# KiCad board teacup-t41.kicad_pcb
title: Teacup Development Board; date: 2024-02-21; rev: [C]3.3; company: Hacker Homestead; note: CaptainRon; note: RevA: BogdanTheGeek
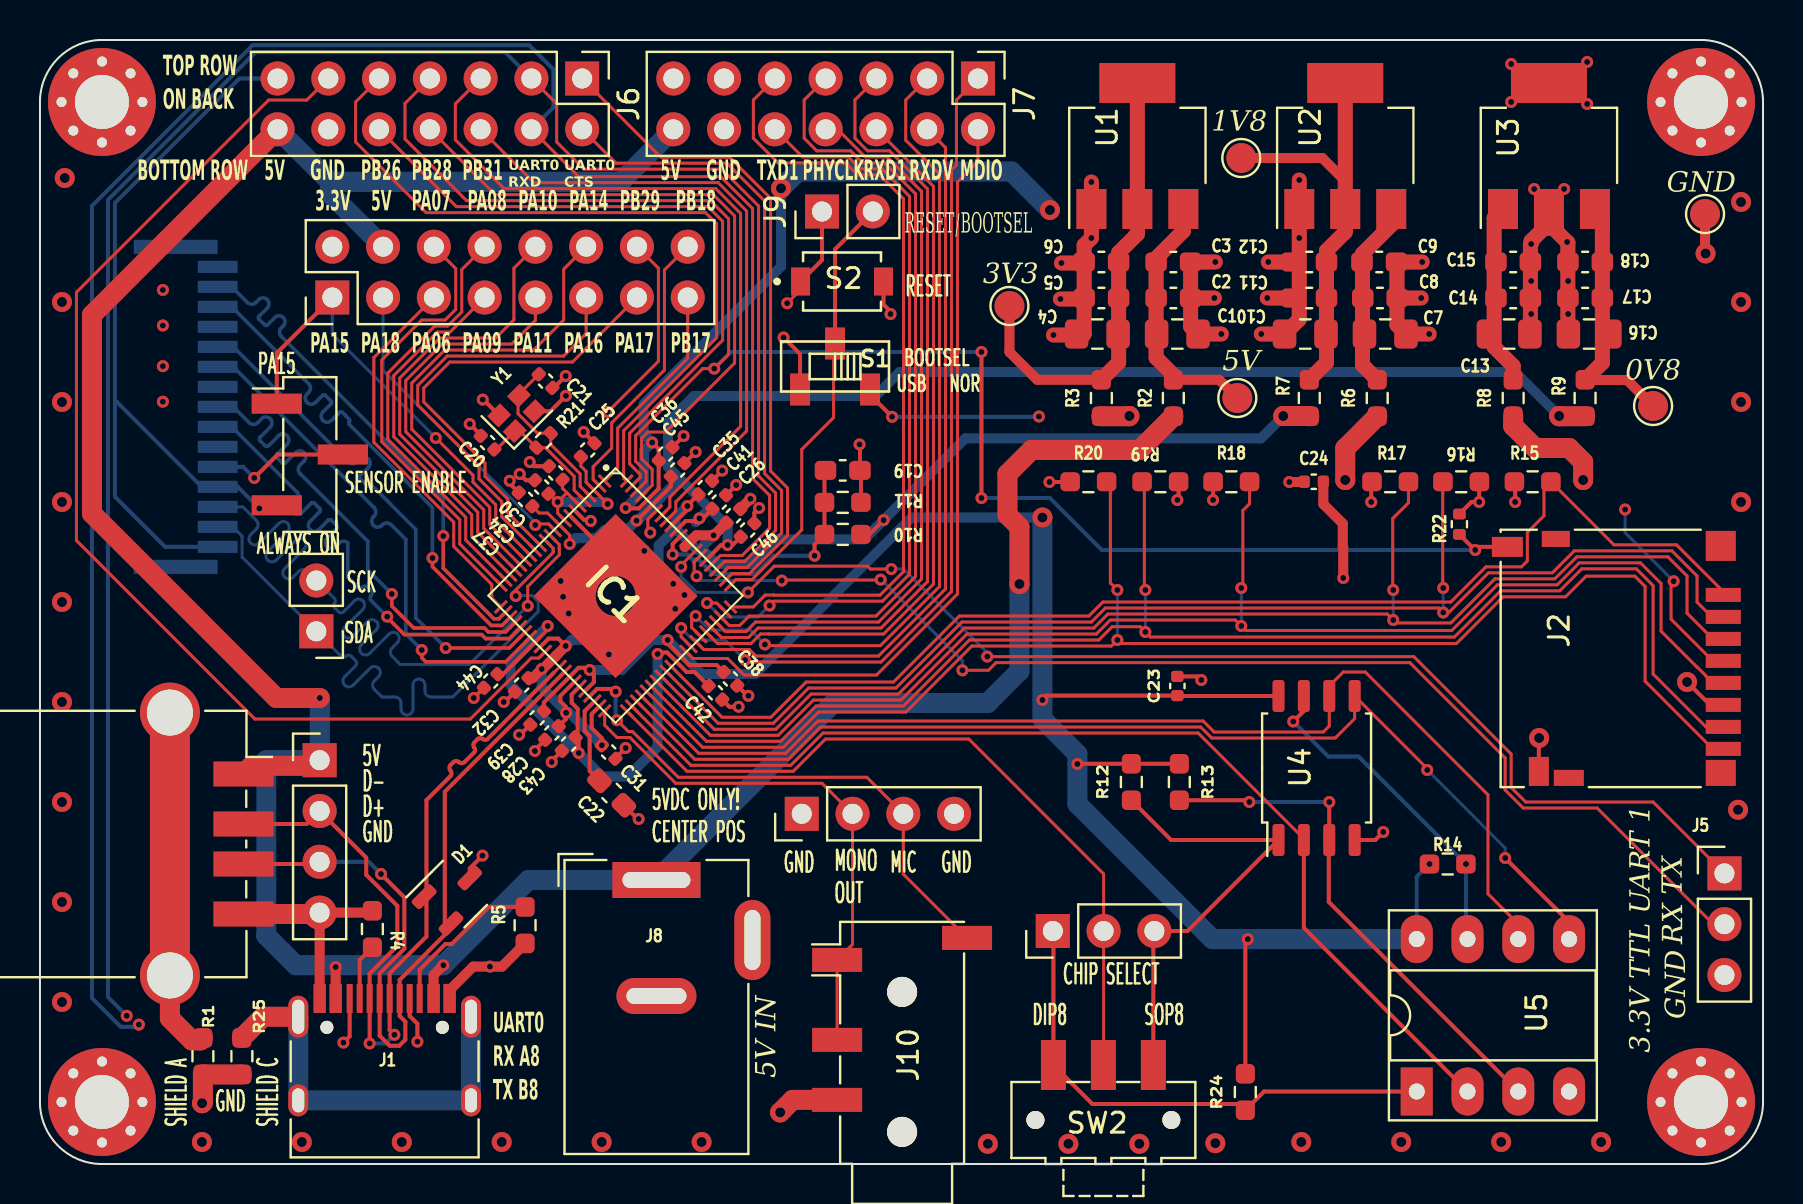
[diagram p0: board, top side]
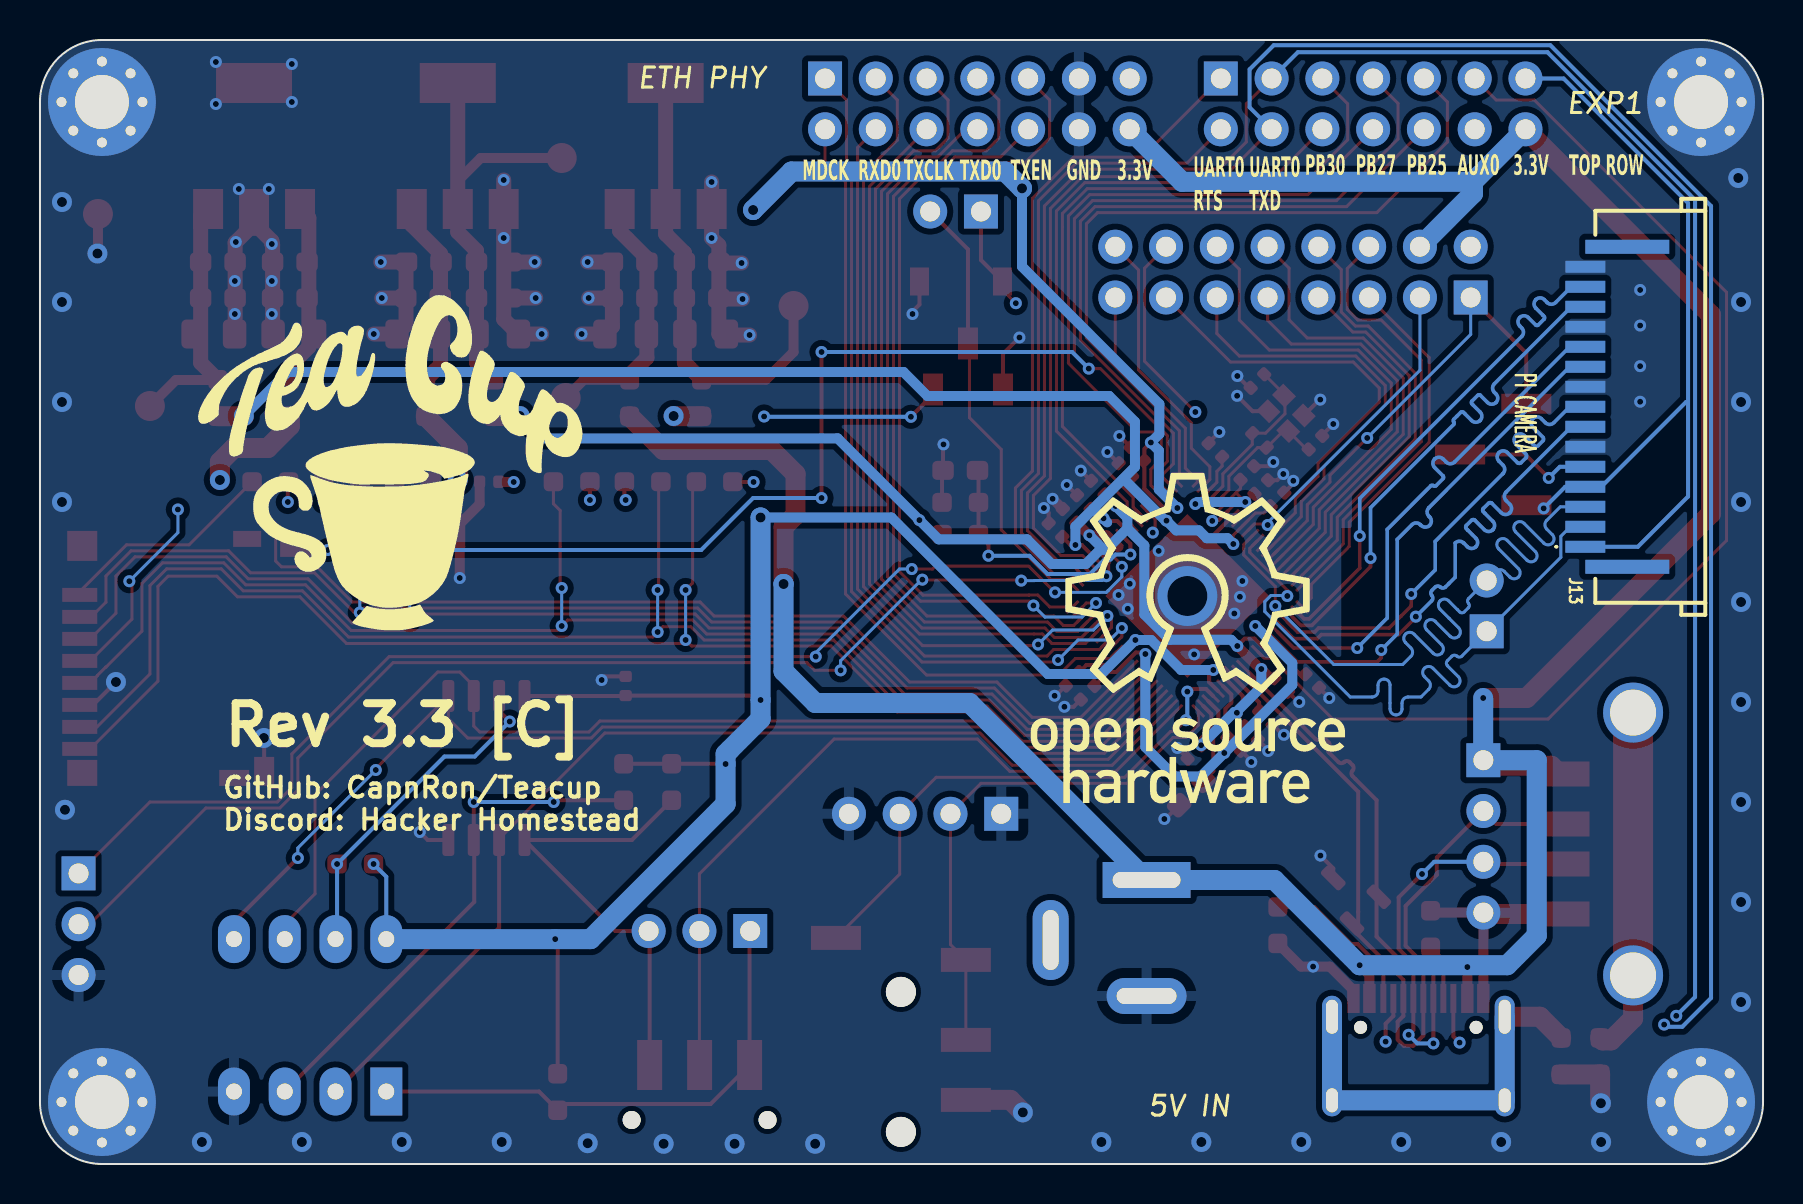
[diagram p1: board, bottom side, seen from below]

Outline 86.2 x 56.2 mm; copper layers: Top, In1.Cu, In2.Cu, Bottom. Coordinates in mm from the lower left corner of the outline.
Outline path: 0,53.1 arc(0.91,55.29) 3.1,56.2 83.1,56.2 arc(85.29,55.29) 86.2,53.1 86.2,3.1 arc(85.29,0.91) 83.1,0 3.1,0 arc(0.91,0.91) 0,3.1 0,53.1
Stack: Top 0.035mm / dielectric 0.11mm FR4 er 4.3 / In1.Cu 0.035mm / dielectric 1.2mm FR4 er 4.3 / In2.Cu 0.035mm / dielectric 0.11mm FR4 er 4.3 / Bottom 0.035mm

## Placement (name value [footprint] x y rotation side)
C1  10uF  [C_0805_2012Metric_Pad1.18x1.45mm_HandSolder]  56.9 41.5 0 top
C2  1uF  [C_0603_1608Metric_Pad1.08x0.95mm_HandSolder]  56.7 43.3 0 top
C3  100nF  [C_0603_1608Metric_Pad1.08x0.95mm_HandSolder]  56.7 45.1 0 top
C4  10uF  [C_0805_2012Metric_Pad1.18x1.45mm_HandSolder]  52.9 41.5 180 top
C5  1uF  [C_0603_1608Metric_Pad1.08x0.95mm_HandSolder]  53.1 43.3 180 top
C6  100nF  [C_0603_1608Metric_Pad1.08x0.95mm_HandSolder]  53.1 45.1 180 top
C7  10uF  [C_0805_2012Metric_Pad1.18x1.45mm_HandSolder]  67.3 41.5 0 top
C8  1uF  [C_0603_1608Metric_Pad1.08x0.95mm_HandSolder]  67.04 43.3 0 top
C9  100nF  [C_0603_1608Metric_Pad1.08x0.95mm_HandSolder]  67 45.1 0 top
C10  10uF  [C_0805_2012Metric_Pad1.18x1.45mm_HandSolder]  63.3 41.5 180 top
C11  1uF  [C_0603_1608Metric_Pad1.08x0.95mm_HandSolder]  63.5 43.3 180 top
C12  100nF  [C_0603_1608Metric_Pad1.08x0.95mm_HandSolder]  63.5 45.1 180 top
C13  10uF  [C_0805_2012Metric_Pad1.18x1.45mm_HandSolder]  73.5 41.5 0 top
C14  1uF  [C_0603_1608Metric_Pad1.08x0.95mm_HandSolder]  73.7 43.3 0 top
C15  100nF  [C_0603_1608Metric_Pad1.08x0.95mm_HandSolder]  73.7 45.1 0 top
C16  10uF  [C_0805_2012Metric_Pad1.18x1.45mm_HandSolder]  77.5 41.5 180 top
C17  1uF  [C_0603_1608Metric_Pad1.08x0.95mm_HandSolder]  77.3 43.3 180 top
C18  100nF  [C_0603_1608Metric_Pad1.08x0.95mm_HandSolder]  77.3 45.1 180 top
C19  100nF  [C_0603_1608Metric_Pad1.08x0.95mm_HandSolder]  40.16 34.68 180 top
C20  12pF  [C_0402_1005Metric]  22.39 36.07 315 top
C21  12pF  [C_0402_1005Metric]  25.29 39.15 315 top
C22  4.7uF  [C_0603_1608Metric_Pad1.08x0.95mm_HandSolder]  28.6 18.55 315 top
C23  100nF  [C_0402_1005Metric]  56.9 23.9 90 top
C24  100nF  [C_0402_1005Metric]  63.72 34.11 0 top
C25  100nF  [C_0402_1005Metric]  27.4 35.7 45 top
C26  100nF  [C_0402_1005Metric]  34.69 32.41 45 top
C28  100nF  [C_0402_1005Metric]  25.61 21.55 225 top
C30  100nF  [C_0402_1005Metric]  25.8 34.55 135 top
C31  100nF  [C_0402_1005Metric]  28.45 20.6 315 top
C32  100nF  [C_0402_1005Metric]  24.1 23.95 225 top
C34  100nF  [C_0402_1005Metric]  25.1 33.85 135 top
C35  100nF  [C_0402_1005Metric]  33.28 33.82 45 top
C36  100nF  [C_0402_1005Metric]  31.3 35.5 45 top
C37  100nF  [C_0402_1005Metric]  24.29 33.23 135 top
C38  100nF  [C_0402_1005Metric]  34.54 24.26 315 top
C39  100nF  [C_0402_1005Metric]  24.87 22.31 225 top
C41  100nF  [C_0402_1005Metric]  33.98 33.1 45 top
C42  100nF  [C_0402_1005Metric]  33.79 23.56 315 top
C43  100nF  [C_0402_1005Metric]  26.45 21 225 top
C44  100nF  [C_0402_1005Metric]  22.55 24.15 225 top
C45  100nF  [C_0402_1005Metric]  31.9 34.7 45 top
C46  100nF  [C_0402_1005Metric]  35.4 31.7 45 top
D1  D_TVS_Dual_AAC  [SOT-23-3]  20.7 13.5 45 top
H1  MountingHole_Pad  [MountingHole_2.7mm_M2.5_Pad_Via]  3.1 3.1 0 top
H2  MountingHole_Pad  [MountingHole_2.7mm_M2.5_Pad_Via]  3.1 53.1 0 top
H3  MountingHole_Pad  [MountingHole_2.7mm_M2.5_Pad_Via]  83.1 3.1 0 top
H4  MountingHole_Pad  [MountingHole_2.7mm_M2.5_Pad_Via]  83.1 53.1 0 top
IC1  T31ZX  [QFN35P900X900X90-89N-D]  28.8 28.4 315 top
J1  USB Type-C  [USB_C_Receptacle_HRO_TYPE-C-31-M-12]  17.24 4.23 0 top
J2  Micro_SD_Card  [microSD_HC_Hirose_DM3D-SF]  78.86 25.28 90 top
J3  USB_A  [USB_A_TE_292303-7_Horizontal]  3.8 16 270 top
J4  Conn_02x08_Odd_Even  [PinHeader_2x08_P2.54mm_Vertical]  14.62 43.32 90 top
J5  UART  [PinHeader_1x03_P2.54mm_Vertical]  84.27 14.53 0 top
J6  Conn_02x07_Odd_Even  [PinHeader_2x07_P2.54mm_Vertical]  27.12 54.27 270 top
J7  Conn_02x07_Odd_Even  [PinHeader_2x07_P2.54mm_Vertical]  46.92 54.27 270 top
J8  DC_IN  [BarrelJack_Wuerth_6941xx301002]  30.84 14.2 0 top
J9  Conn_01x02_MountingPin  [PinHeader_1x02_P2.54mm_Vertical]  39.12 47.62 90 top
J10  AudioJack4_Ground  [Jack_3.5mm_PJ320D_Horizontal]  43.13 6.38 90 top
J11  Conn_01x04_Pin  [PinHeader_1x04_P2.54mm_Vertical]  13.99 20.19 0 top
J12  Conn_01x04_Pin  [PinHeader_1x04_P2.54mm_Vertical]  38.11 17.51 90 top
J13  SFW15R-2STE1LF  [SFW15R2STE1LF]  5.64 37.86 90 bottom
J14  Conn_01x02_MountingPin  [PinHeader_1x02_P2.54mm_Vertical]  13.82 26.63 180 top
J15  Conn_01x03_MountingPin  [PinHeader_1x03_P2.54mm_Vertical_SMD_Pin1Left]  13.5 35.47 0 top
J16  Conn_01x03_MountingPin  [PinHeader_1x03_P2.54mm_Vertical]  50.67 11.65 90 top
LOGO2  OSHW OUTLINE  [oshw]  28.94 15.64 180 bottom
LOGO3  Teacup Logo  [TClogo-med]  68.6 24.31 180 bottom
R1  0R  [R_0603_1608Metric_Pad0.98x0.95mm_HandSolder]  8.15 5.39 90 top
R2  0R  [R_0603_1608Metric_Pad0.98x0.95mm_HandSolder]  56.7 38.3 90 top
R3  0R  [R_0603_1608Metric_Pad0.98x0.95mm_HandSolder]  53.1 38.3 90 top
R4  5k1  [R_0603_1608Metric_Pad0.98x0.95mm_HandSolder]  16.63 11.75 270 top
R5  5k1  [R_0603_1608Metric_Pad0.98x0.95mm_HandSolder]  24.27 11.94 90 top
R6  0R  [R_0603_1608Metric_Pad0.98x0.95mm_HandSolder]  66.9 38.3 90 top
R7  0R  [R_0603_1608Metric_Pad0.98x0.95mm_HandSolder]  63.5 38.3 90 top
R8  0R  [R_0603_1608Metric_Pad0.98x0.95mm_HandSolder]  73.7 38.3 90 top
R9  0R  [R_0603_1608Metric_Pad0.98x0.95mm_HandSolder]  77.3 38.3 90 top
R10  100k  [R_0603_1608Metric_Pad0.98x0.95mm_HandSolder]  40.16 31.48 180 top
R11  100k  [R_0603_1608Metric_Pad0.98x0.95mm_HandSolder]  40.16 33.08 180 top
R12  100k  [R_0603_1608Metric_Pad0.98x0.95mm_HandSolder]  54.6 19.1 90 top
R13  100k  [R_0603_1608Metric_Pad0.98x0.95mm_HandSolder]  57 19.1 270 top
R14  100k  [R_0603_1608Metric_Pad0.98x0.95mm_HandSolder]  70.42 15 180 top
R15  47k  [R_0603_1608Metric_Pad0.98x0.95mm_HandSolder]  74.67 34.11 0 top
R16  47k  [R_0603_1608Metric_Pad0.98x0.95mm_HandSolder]  71.1 34.11 180 top
R17  47k  [R_0603_1608Metric_Pad0.98x0.95mm_HandSolder]  67.55 34.11 0 top
R18  47k  [R_0603_1608Metric_Pad0.98x0.95mm_HandSolder]  59.6 34.11 0 top
R19  47k  [R_0603_1608Metric_Pad0.98x0.95mm_HandSolder]  56.05 34.11 180 top
R20  47k  [R_0603_1608Metric_Pad0.98x0.95mm_HandSolder]  52.45 34.11 0 top
R21  1M  [R_0402_1005Metric]  25.19 36.18 45 top
R22  1M  [R_0402_1005Metric]  71.01 31.99 270 top
R24  100k  [R_0603_1608Metric_Pad0.98x0.95mm_HandSolder]  60.3 3.6 90 top
R25  0R  [R_0603_1608Metric_Pad0.98x0.95mm_HandSolder]  10.1 5.39 90 top
S1  -  [CJS-1200TA]  39.78 39.88 0 top
S2  TL1015AF160QG  [SW_TL1015AF160QG]  40.12 44.12 0 top
SW2  SW_SPDT  [SW_SPDT_CK-JS102011SAQN]  53.2 2.2 0 top
TP1  TestPoint  [TestPoint_Pad_D1.5mm]  59.9 38.3 0 top
TP2  TestPoint  [TestPoint_Pad_D1.5mm]  48.5 42.9 0 top
TP4  TestPoint  [TestPoint_Pad_D1.5mm]  60.1 50.3 0 top
TP6  TestPoint  [TestPoint_Pad_D1.5mm]  80.7 37.9 0 top
TP8  TestPoint  [TestPoint_Pad_D1.5mm]  83.3 47.5 0 top
U1  AZ1117-3.3  [SOT-223-3_TabPin2]  54.9 50.9 90 top
U2  AZ1117-1.8  [SOT-223-3_TabPin2]  65.3 50.9 90 top
U3  MCP1826S  [SOT-223-3_TabPin2]  75.49 50.9 90 top
U4  W25Q32JVSS  [SOIC-8_5.23x5.23mm_P1.27mm]  63.86 19.8 90 top
U5  W25Q32JVSS  [DIP-8_W7.62mm_Socket_LongPads]  68.88 3.62 90 top
Y1  24 MHz  [Crystal_SMD_2016-4Pin_2.0x1.6mm]  23.86 37.53 45 top

## Library data of the parts
C1-C26 C28 C30-C32 C34-C39 C41-C46 = -: Description: Unpolarized capacitor; Sim.Enable: 0
D1 = -: Description: Bidirectional dual transient-voltage-suppression diode, center on pin 3; Manufacturer: NXP; Manufacturer Part Number: PESD5V0U2BT,215; Sim.Enable: 0
H1-H4 = -: Description: Mounting Hole with connection; Sim.Enable: 0
IC1 = -: Description: Processors - Application Specialised 5MP H.265 Video Processor - 128MB DDR2, QFN-88(9mm x 9mm); Datasheet_1: https://www.mouser.in/datasheet/2/198/T31_ZX_DS-2399970.pdf; Footprint_1: QFN35P900X900X90-89N-D; Height: 0.9; Manufacturer: Lumissil; Manufacturer_Name: Lumissil; Mouser Part Number: 870-T31ZX; Mouser Price/Stock: https://www.mouser.co.uk/ProductDetail/Lumissil/T31ZX?qs=ljCeji4nMDlCcKictkO8%2Fw%3D%3D; Sim.Enable: 0
J1 = -: Description: USB 2.0-only Type-C Receptacle connector; Manufacturer: Korean Hroparts Elec (GTC); Manufacturer Part Number: TYPE-C-31-M-12 (USB4105-GF-A); Sim.Enable: 0
J2 = -: Description: Micro SD Card Socket; Sim.Enable: 0
J3 = -: Description: USB Type A connector; Sim.Enable: 0
J4 = -: Description: Generic connector, double row, 02x08, odd/even pin numbering scheme (row 1 odd numbers, row 2 even numbers), script generated (kicad-library-utils/schlib/autogen/connector/); Sim.Enable: 0
J5 = -: Description: Generic connector, single row, 01x03, script generated; Sim.Enable: 0
J6 J7 = -: Description: Generic connector, double row, 02x07, odd/even pin numbering scheme (row 1 odd numbers, row 2 even numbers), script generated (kicad-library-utils/schlib/autogen/connector/); Sim.Enable: 0
J8 = -: Description: DC Barrel Jack with a mounting pin; Sim.Enable: 0
J9 J14 = -: Description: Generic connectable mounting pin connector, single row, 01x02, script generated (kicad-library-utils/schlib/autogen/connector/)
J10 = -: Description: Audio Jack, 4 Poles (TRRS), Grounded Sleeve; Sim.Enable: 0
J11 J12 = -: Description: Generic connector, single row, 01x04, script generated; Sim.Enable: 0
J13 = -: Description: AMPHENOL COMMUNICATIONS SOLUTIONS - SFW15R-2STE1LF - FFC / FPC Board Connector, 1 mm, 15 Contacts, Receptacle, FCI 58RF SFW-R, Surface Mount, Top; Height: 2.9; Manufacturer_Name: Amphenol Communications Solutions; Mouser Part Number: 649-SFW15R-2STE1LF; Mouser Price/Stock: https://www.mouser.co.uk/ProductDetail/Amphenol-FCI/SFW15R-2STE1LF?qs=XRaITl65jnu3B148xsdn9A%3D%3D
J15 J16 = -: Description: Generic connectable mounting pin connector, single row, 01x03, script generated (kicad-library-utils/schlib/autogen/connector/)
LOGO2 LOGO3 = -: Description: Open Hardware logo, small; Sim.Enable: 0
R1-R22 R24 R25 = -: Description: Resistor; Sim.Enable: 0
S1 = -: Sim.Enable: 0
S2 = -: MANUFACTURER: E-Switch; MAXIMUM_PACKAGE_HEIGHT: 2.1 mm; PARTREV: F; STANDARD: Manufacturer Recommendations; Sim.Enable: 0
SW2 = -: Description: Switch, single pole double throw
TP1 TP2 TP4 TP6 TP8 = -: Description: test point; Sim.Enable: 0
U1 = -: Description: 1A 20V Fixed LDO Linear Regulator, 3.3V, SOT-89/SOT-223/TO-220/TO-252/TO-263; Manufacturer: Diodes Incorporated; Manufacturer Part Number: AZ1117IH-3.3TRG1; Sim.Enable: 0
U2 = -: Description: 1A 20V Fixed LDO Linear Regulator, 1.8V, SOT-89/SOT-223/TO-220/TO-252/TO-263; Manufacturer: Diodes Incorporated; Manufacturer Part Number: AZ1117(CH)-1.8; Sim.Enable: 0
U3 = -: Description: 1000mA, Low-Voltage, Low Quiescent Current LDO Regulator, SOT-223, TO-220, TO-263; Manufacturer: Microchip; Sim.Enable: 0
U4 = -: Description: 32Mb Serial Flash Memory, Standard/Dual/Quad SPI, SOIC-8; Manufacturer: Winbond; Sim.Enable: 0
U5 = -: Description: 32Mb Serial Flash Memory, Standard/Dual/Quad SPI, SOIC-8; Sim.Enable: 0
Y1 = -: Description: Four pin crystal, GND on pins 2 and 4; Manufacturer: NDK; Manufacturer Part Number: NX2016SA-24MHZ-EXS00A-CS07553; Sim.Enable: 0

## Footprints (pads in the part's own frame, mm; a bottom-side part is the same pattern mirrored in y, then rotated)
BarrelJack_Wuerth_6941xx301002
  rect 4.4x1.8 hole 3.4x0.8: 1(0,0)
  oval 4x1.8 hole 3x0.8: 2(0,-5.8)
  oval 1.8x4 hole 0.8x3: 3(4.8,-3)
C_0402_1005Metric
  rrect 0.56x0.62 smd: 1(-0.48,0) 2(0.48,0)
C_0603_1608Metric_Pad1.08x0.95mm_HandSolder
  rrect 1.075x0.95 smd: 1(-0.863,0) 2(0.863,0)
C_0805_2012Metric_Pad1.18x1.45mm_HandSolder
  rrect 1.175x1.45 smd: 1(-1.038,0) 2(1.038,0)
CJS-1200TA
  rect 1x1.6 smd: 1(-1.75,-1.15) 2C(0,1.15) 3(1.75,-1.15)
Crystal_SMD_2016-4Pin_2.0x1.6mm
  rect 0.9x0.8 smd: 1(-0.7,-0.55) 2(0.7,-0.55) 3(0.7,0.55) 4(-0.7,0.55)
DIP-8_W7.62mm_Socket_LongPads
  rect 2.4x1.6 hole 0.8: 1(0,0)
  oval 2.4x1.6 hole 0.8: 2(0,-2.54) 3(0,-5.08) 4(0,-7.62) 5(7.62,-7.62) 6(7.62,-5.08) 7(7.62,-2.54) 8(7.62,0)
Jack_3.5mm_PJ320D_Horizontal
  round 1.5 hole 1.5 unplated: (-4.775,0) (2.225,0)
  rect 1.2x2.5 smd: R1(-0.175,3.25) R2(-3.175,3.25) S(4.925,-3.25) T(3.825,3.25)
microSD_HC_Hirose_DM3D-SF
  rect 0.7x1.75 smd: 1(3.175,-5.35) 2(2.075,-5.35) 3(0.975,-5.35) 4(-0.125,-5.35) 5(-1.225,-5.35) 6(-2.325,-5.35) 7(-3.425,-5.35) 8(-4.525,-5.35)
  rect 1.45x1 smd: 9(-5.65,3.875)
  rect 1x1.55 smd: 10(5.575,5.45)
  rect 0.8x1.5 smd: 11(-5.975,2.375)
  rect 1.3x1.5 smd: 11(-5.725,-5.225)
  rect 1.5x1.5 smd: 11(5.625,-5.225)
  rect 0.8x1.4 smd: 11(5.975,3.025)
MountingHole_2.7mm_M2.5_Pad_Via
  round 0.8 hole 0.5: 1(-2.025,0) 1(-1.432,1.432) 1(-1.432,-1.432) 1(0,2.025) 1(0,-2.025) 1(1.432,1.432) 1(1.432,-1.432) 1(2.025,0)
  round 5.4 hole 2.7: 1(0,0)
PinHeader_1x02_P2.54mm_Vertical
  rect 1.7x1.7 hole 1: 1(0,0)
  oval 1.7x1.7 hole 1: 2(0,-2.54)
PinHeader_1x03_P2.54mm_Vertical
  rect 1.7x1.7 hole 1: 1(0,0)
  oval 1.7x1.7 hole 1: 2(0,-2.54) 3(0,-5.08)
PinHeader_1x03_P2.54mm_Vertical_SMD_Pin1Left
  rect 2.51x1 smd: 1(-1.655,2.54) 2(1.655,0) 3(-1.655,-2.54)
PinHeader_1x04_P2.54mm_Vertical
  rect 1.7x1.7 hole 1: 1(0,0)
  oval 1.7x1.7 hole 1: 2(0,-2.54) 3(0,-5.08) 4(0,-7.62)
PinHeader_2x07_P2.54mm_Vertical
  rect 1.7x1.7 hole 1: 1(0,0)
  oval 1.7x1.7 hole 1: 2(2.54,0) 3(0,-2.54) 4(2.54,-2.54) 5(0,-5.08) 6(2.54,-5.08) 7(0,-7.62) 8(2.54,-7.62) 9(0,-10.16) 10(2.54,-10.16) 11(0,-12.7) 12(2.54,-12.7) 13(0,-15.24) 14(2.54,-15.24)
PinHeader_2x08_P2.54mm_Vertical
  rect 1.7x1.7 hole 1: 1(0,0)
  oval 1.7x1.7 hole 1: 2(2.54,0) 3(0,-2.54) 4(2.54,-2.54) 5(0,-5.08) 6(2.54,-5.08) 7(0,-7.62) 8(2.54,-7.62) 9(0,-10.16) 10(2.54,-10.16) 11(0,-12.7) 12(2.54,-12.7) 13(0,-15.24) 14(2.54,-15.24) 15(0,-17.78) 16(2.54,-17.78)
QFN35P900X900X90-89N-D
  rect 0.85x0.15 smd: 1(-4.45,3.675) 2(-4.45,3.325) 3(-4.45,2.975) 4(-4.45,2.625) 5(-4.45,2.275) 6(-4.45,1.925) 7(-4.45,1.575) 8(-4.45,1.225) 9(-4.45,0.875) 10(-4.45,0.525) 11(-4.45,0.175) 12(-4.45,-0.175) 13(-4.45,-0.525) 14(-4.45,-0.875) 15(-4.45,-1.225) 16(-4.45,-1.575) 17(-4.45,-1.925) 18(-4.45,-2.275) 19(-4.45,-2.625) 20(-4.45,-2.975) 21(-4.45,-3.325) 22(-4.45,-3.675) 45(4.45,-3.675) 46(4.45,-3.325) 47(4.45,-2.975) 48(4.45,-2.625) 49(4.45,-2.275) 50(4.45,-1.925) 51(4.45,-1.575) 52(4.45,-1.225) 53(4.45,-0.875) 54(4.45,-0.525) 55(4.45,-0.175) 56(4.45,0.175) 57(4.45,0.525) 58(4.45,0.875) 59(4.45,1.225) 60(4.45,1.575) 61(4.45,1.925) 62(4.45,2.275) 63(4.45,2.625) 64(4.45,2.975) 65(4.45,3.325) 66(4.45,3.675)
  rect 0.15x0.85 smd: 23(-3.675,-4.45) 24(-3.325,-4.45) 25(-2.975,-4.45) 26(-2.625,-4.45) 27(-2.275,-4.45) 28(-1.925,-4.45) 29(-1.575,-4.45) 30(-1.225,-4.45) 31(-0.875,-4.45) 32(-0.525,-4.45) 33(-0.175,-4.45) 34(0.175,-4.45) 35(0.525,-4.45) 36(0.875,-4.45) 37(1.225,-4.45) 38(1.575,-4.45) 39(1.925,-4.45) 40(2.275,-4.45) 41(2.625,-4.45) 42(2.975,-4.45) 43(3.325,-4.45) 44(3.675,-4.45) 67(3.675,4.45) 68(3.325,4.45) 69(2.975,4.45) 70(2.625,4.45) 71(2.275,4.45) 72(1.925,4.45) 73(1.575,4.45) 74(1.225,4.45) 75(0.875,4.45) 76(0.525,4.45) 77(0.175,4.45) 78(-0.175,4.45) 79(-0.525,4.45) 80(-0.875,4.45) 81(-1.225,4.45) 82(-1.575,4.45) 83(-1.925,4.45) 84(-2.275,4.45) 85(-2.625,4.45) 86(-2.975,4.45) 87(-3.325,4.45) 88(-3.675,4.45)
  rect 5.8x5.8 smd: 89(0,0)
R_0402_1005Metric
  rrect 0.54x0.64 smd: 1(-0.51,0) 2(0.51,0)
R_0603_1608Metric_Pad0.98x0.95mm_HandSolder
  rrect 0.975x0.95 smd: 1(-0.912,0) 2(0.912,0)
SFW15R2STE1LF
  rect 0.6x2 smd: 1(-7,3.25) 2(-6,3.25) 3(-5,3.25) 4(-4,3.25) 5(-3,3.25) 6(-2,3.25) 7(-1,3.25) 8(0,3.25) 9(1,3.25) 10(2,3.25) 11(3,3.25) 12(4,3.25) 13(5,3.25) 14(6,3.25) 15(7,3.25)
  rect 0.7x4.2 smd: MP1(-8,1.15) MP2(8,1.15)
SOIC-8_5.23x5.23mm_P1.27mm
  rrect 1.6x0.6 smd: 1(-3.6,1.905) 2(-3.6,0.635) 3(-3.6,-0.635) 4(-3.6,-1.905) 5(3.6,-1.905) 6(3.6,-0.635) 7(3.6,0.635) 8(3.6,1.905)
SOT-23-3
  rrect 1.325x0.6 smd: 1(-1.137,0.95) 2(-1.137,-0.95) 3(1.137,0)
SOT-223-3_TabPin2
  rect 2x1.5 smd: 1(-3.15,2.3) 2(-3.15,0) 3(-3.15,-2.3)
  rect 2x3.8 smd: 2(3.15,0)
SW_SPDT_CK-JS102011SAQN
  round 0.9 hole 0.9 unplated: (-3.4,0) (3.4,0)
  rect 1.25x2.5 smd: 1(-2.5,2.75) 2(0,2.75) 3(2.5,2.75)
SW_TL1015AF160QG
  rect 0.95x1.4 smd: 1(-2.075,0) 2(2.075,0)
TestPoint_Pad_D1.5mm
  round 1.5 smd: 1(0,0)
USB_A_TE_292303-7_Horizontal
  rect 1.25x3 smd: 1(-3.5,6.38) 2(-1,6.38) 3(1,6.38) 4(3.5,6.38)
  round 3 hole 2.3: 5(-6.57,2.7) 5(6.57,2.7)
USB_C_Receptacle_HRO_TYPE-C-31-M-12
  round 0.65 hole 0.65 unplated: (-2.89,2.6) (2.89,2.6)
  rect 0.6x1.45 smd: A1(-3.25,4.045) A4(-2.45,4.045) A9(2.45,4.045) A12(3.25,4.045) B1(3.25,4.045) B4(2.45,4.045) B9(-2.45,4.045) B12(-3.25,4.045)
  rect 0.3x1.45 smd: A5(-1.25,4.045) A6(-0.25,4.045) A7(0.25,4.045) A8(1.25,4.045) B5(1.75,4.045) B6(0.75,4.045) B7(-0.75,4.045) B8(-1.75,4.045)
  oval 1x2.1 hole 0.6x1.7: S1(-4.32,3.13) S1(4.32,3.13)
  oval 1x1.6 hole 0.6x1.2: S1(-4.32,-1.05) S1(4.32,-1.05)

## Nets
+0V8: C37.1 C41.1 C42.1 C43.1 C44.1 C45.1 C46.1 IC1.10 IC1.30 IC1.39 IC1.55 IC1.72 IC1.78 IC1.83 R9.1
+1V8: C25.1 C26.1 C28.1 C30.1 C31.1 C32.1 C34.1 C35.1 IC1.3 IC1.6 IC1.9 IC1.31 IC1.33 IC1.34 IC1.38 IC1.43 IC1.75 IC1.76 IC1.79 R7.1 R10.1
+3V3: C23.1 C24.1 C36.1 C38.1 C39.1 IC1.37 IC1.40 IC1.56 IC1.84 J2.4 J4.2 J6.13 J7.13 J13.1 J13.4 J15.3 R3.1 R6.1 R8.1 R12.2 R13.1 R14.2 R15.1 R16.1 R17.1 R18.1 R19.1 R20.1 R22.1 R24.2 S1.3 U4.8 U5.8
+5V: J1.A4 J1.A9 J1.B4 J1.B9 J3.1 J4.4 J6.14 J7.14 J8.1 J11.1 R2.1
GND: C1.2 C2.2 C3.2 C4.2 C5.2 C6.2 C7.2 C8.2 C9.2 C10.2 C11.2 C12.2 C13.2 C14.2 C15.2 C16.2 C17.2 C18.2 C19.1 C20.1 C21.2 C22.2 C23.2 C24.2 C25.2 C26.2 C28.2 C30.2 C31.2 C32.2 C34.2 C35.2 C36.2 C37.2 C38.2 C39.2 C41.2 C42.2 C43.2 C44.2 C45.2 C46.2 D1.3 H1.1 H2.1 H3.1 H4.1 IC1.8 IC1.89 J1.A1 J1.A12 J1.B1 J1.B12 J2.6 J2.9 J3.4 J5.3 J6.12 J7.11 J7.12 J8.2 J10.R2 J11.4 J12.1 J12.4 J13.6 J13.9 J13.12 J13.15 R1.1 R4.1 R5.1 R11.1 R25.1 S1.1 S2.2 TP8.1 U1.1 U2.1 U3.2 U4.4 U5.4 Y1.2 Y1.4
/AUX0: IC1.32 J6.11
/HPOUTL: IC1.44 J10.R1 J10.T J12.2
/I2C0_SCK: IC1.12 J13.3 J14.2
/I2C0_SDA: IC1.13 J13.2 J14.1
/MDCK: IC1.58 J7.1
/MDIO: IC1.57 J7.2
/MICLP: IC1.41 J10.S J12.3
/MIPI_0_N: IC1.24 J13.14
/MIPI_0_P: IC1.25 J13.13
/MIPI_1_N: IC1.28 J13.11
/MIPI_1_P: IC1.29 J13.10
/MIPI_CLK_N: IC1.26 J13.8
/MIPI_CLK_P: IC1.27 J13.7
/MMC0_CLK: IC1.51 J2.5 R18.2
/MMC0_CMD: IC1.52 J2.3 R17.2
/MMC0_D0: IC1.50 J2.7 R19.2
/MMC0_D1: IC1.49 J2.8 R20.2
/MMC0_D2: IC1.54 J2.1 R15.2
/MMC0_D3: IC1.53 J2.2 R16.2
/NOR_CE: IC1.45 J16.2 SW2.2
/NOR_CE1: J16.1 R24.1 SW2.1 U5.1
/NOR_CE2: J16.3 R12.1 SW2.3 U4.1
/NOR_CK: IC1.48 U4.6 U5.6
/NOR_DR: IC1.46 U4.2 U5.2
/NOR_DT: IC1.47 U4.5 U5.5
/PA06: IC1.23 J4.5
/PA07: IC1.22 J4.6
/PA08: IC1.21 J4.8
/PA09: IC1.20 J4.7
/PA10: IC1.19 J4.10
/PA11: IC1.18 J4.9
/PA14: IC1.17 J4.12
/PA15: IC1.16 J4.1 J15.1
/PA16: IC1.15 J4.11
/PA17: IC1.14 J4.13
/PA18: IC1.11 J4.3
/PB17: IC1.1 J4.15
/PB18: IC1.2 J4.16
/PB25: IC1.88 J6.9
/PB26: IC1.87 J6.10
/PB27: IC1.86 J2.10 J6.7 R22.2
/PB28: IC1.85 J6.8
/PB29: IC1.82 J4.14
/PB30: IC1.81 J6.5
/PB31: IC1.80 J6.6
/PHYCLK: IC1.63 J7.8
/RXD0: IC1.60 J7.3
/RXD1: IC1.61 J7.6
/RXDV: IC1.59 J7.4
/TXCLK: IC1.62 J7.5
/TXD0: IC1.64 J7.7
/TXD1: IC1.65 J7.10
/TXEN: IC1.66 J7.9
/UART0_CTS: IC1.69 J6.2
/UART0_RTS: IC1.68 J6.1
/UART0_RXD: IC1.71 J1.A8 J6.4
/UART0_TXD: IC1.70 J1.B8 J6.3
/UART_RX: IC1.73 J5.2
/UART_TX: IC1.74 J5.1
/USB_D+: D1.2 IC1.36 J1.A6 J1.B6 J3.3 J11.3
/USB_D-: D1.1 IC1.35 J1.A7 J1.B7 J3.2 J11.2
Net-(IC1-BOOT_SEL0_PC00): IC1.67 J9.2 S1.2C
Net-(IC1-EXCLK_I): C20.2 IC1.5 R21.1 Y1.1
Net-(IC1-EXCLK_O): C21.1 IC1.4 R21.2 Y1.3
Net-(IC1-PPRST_): IC1.7 J9.1 S2.1
Net-(IC1-VCM): C22.1 IC1.42
Net-(IC1-VREF): C19.2 IC1.77 R10.2 R11.2
Net-(J1-CC1): J1.A5 R4.2
Net-(J1-CC2): J1.B5 R5.2
Net-(J1-SHIELD): J1.S1 R25.2
Net-(J3-Shield): J3.5 R1.2
Net-(J15-Pin_2): J13.5 J15.2
Net-(U1-VI): C1.1 C2.1 C3.1 R2.2 TP1.1 U1.3
Net-(U1-VO): C4.1 C5.1 C6.1 R3.2 TP2.1 U1.2
Net-(U2-VI): C7.1 C8.1 C9.1 R6.2 U2.3